# KiCad board cm0.kicad_pcb
title: Icepi SBC; date: 2025-12-21; rev: v1.0; company: Icy Electronics; note: Chengyin Yao (cheyao); note: https://github.com/cheyao/icepi-sbc; note: License: Solderpad; note: Stackup: JLC04161H-3313
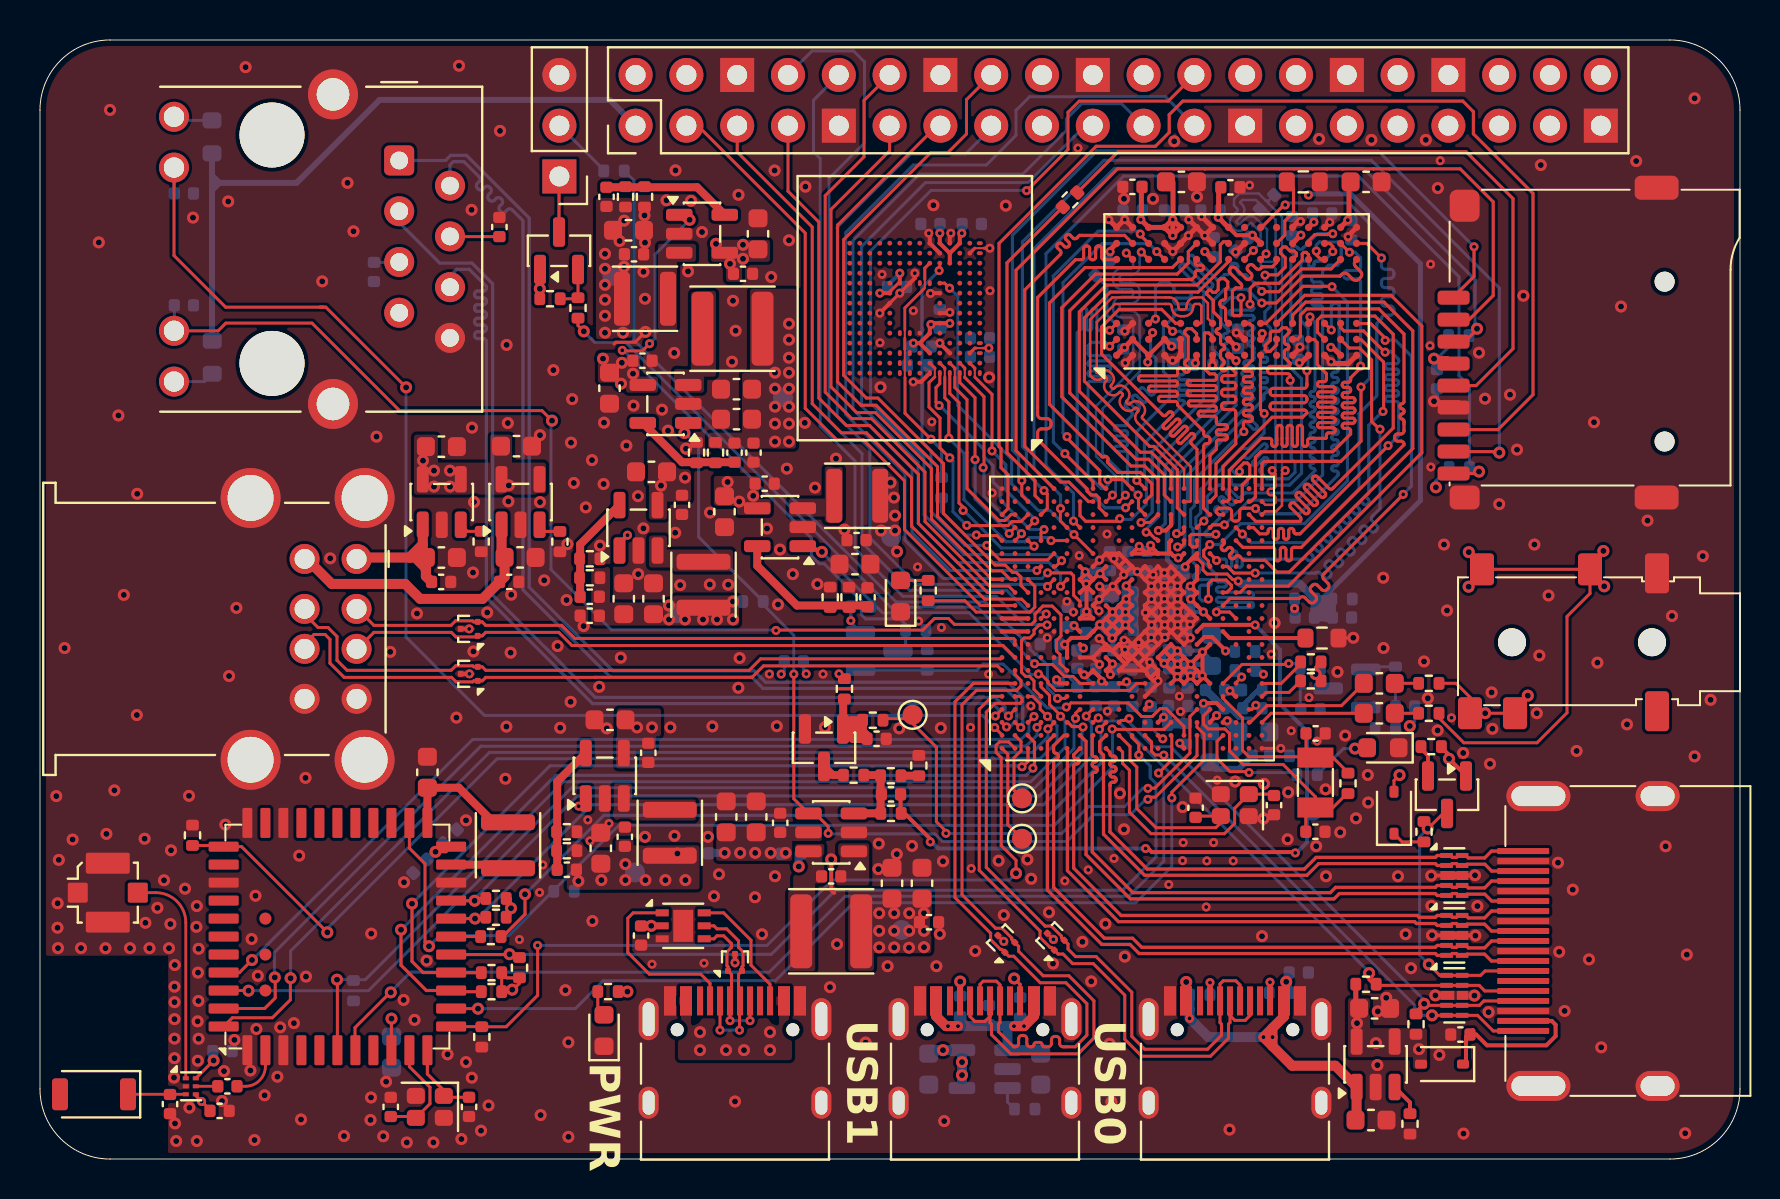
[diagram p0: board, top side]
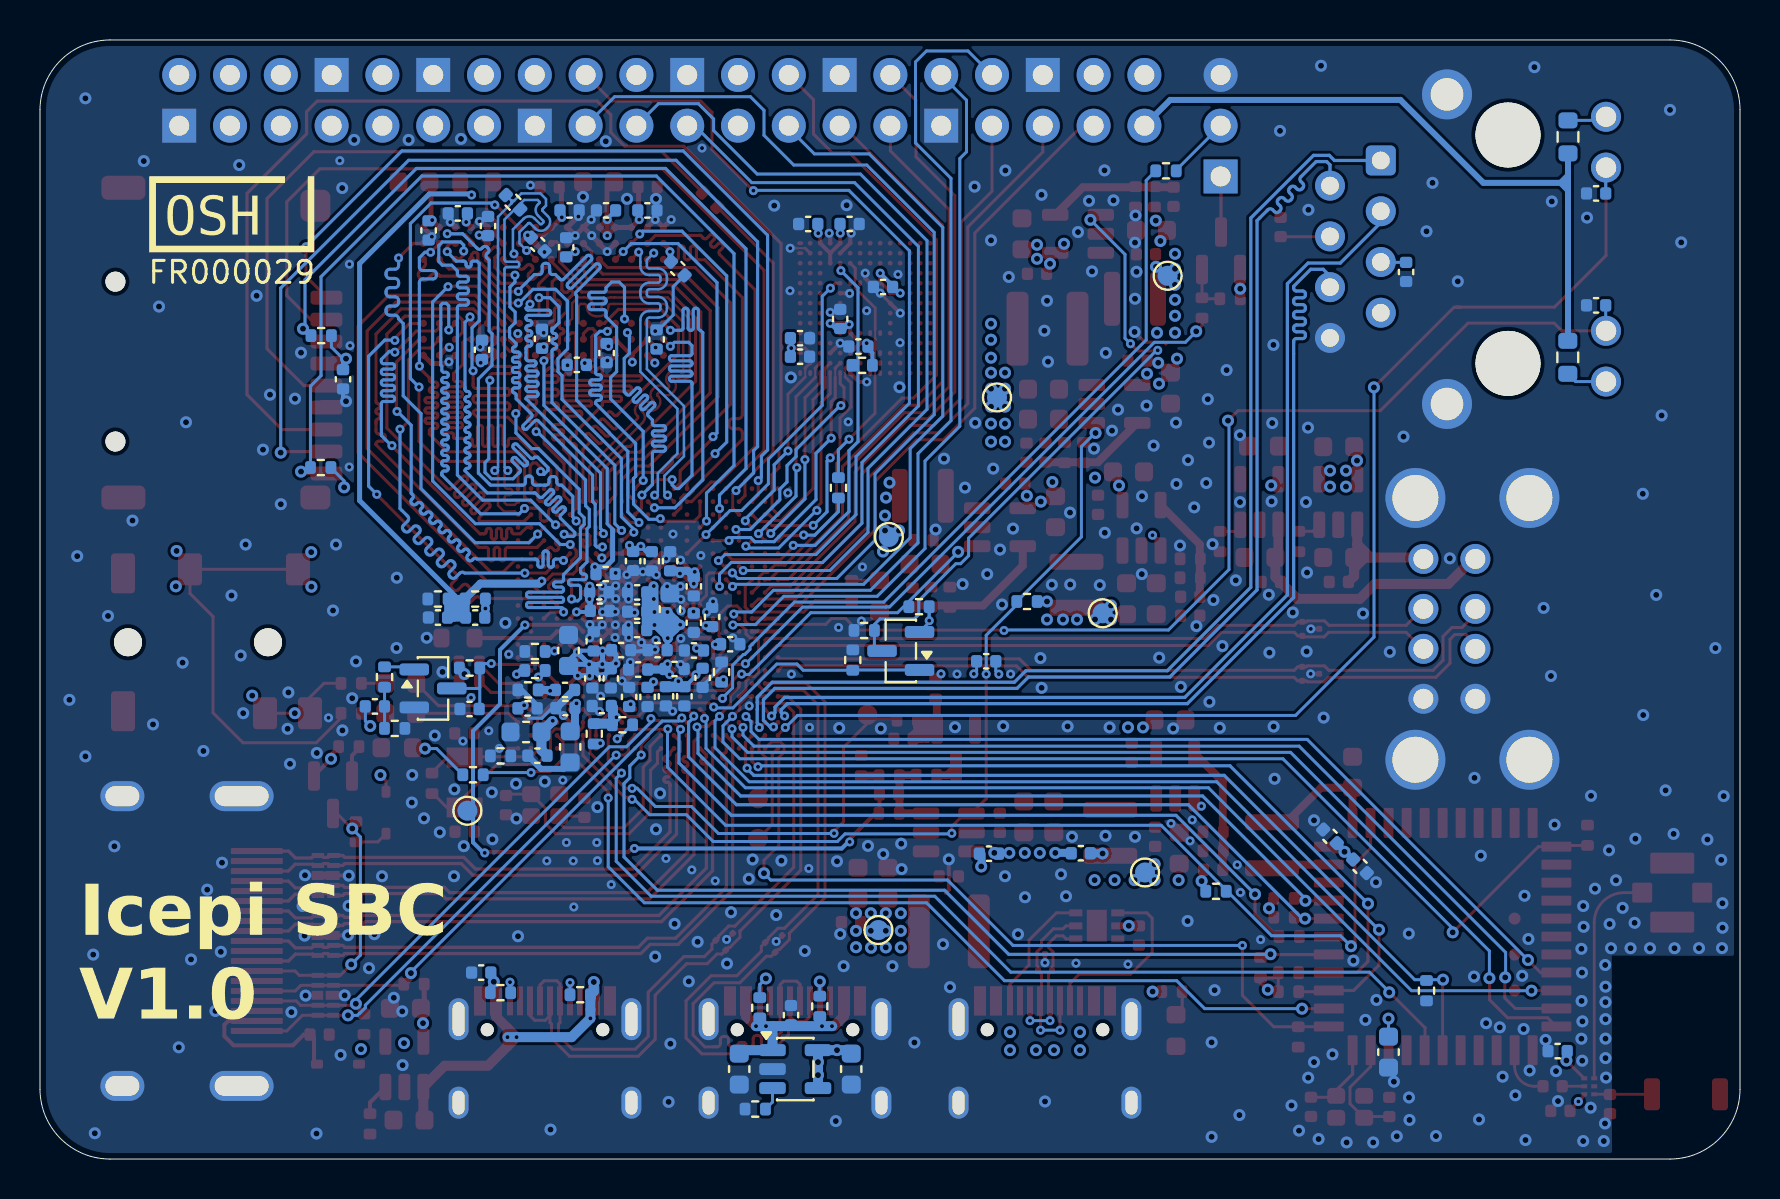
[diagram p1: board, bottom side, seen from below]

Outline 85 x 56 mm; copper layers: Top, In1.Cu, In2.Cu, Bottom. Coordinates in mm from the lower left corner of the outline.
Outline path: 0,52.5 arc(1.03,54.97) 3.5,56 81.5,56 arc(83.97,54.97) 85,52.5 85,3.5 arc(83.97,1.03) 81.5,0 3.5,0 arc(1.03,1.03) 0,3.5 0,52.5
Stack: Top 0.035mm / dielectric 0.0994mm FR4 er 4.1 / In1.Cu 0.0152mm / dielectric 1.265mm FR4 er 4.6 / In2.Cu 0.0152mm / dielectric 0.0994mm FR4 er 4.1 / Bottom 0.035mm

## Placement (name value [footprint] x y rotation side)
AE1  2450AT18A100E  [Johanson_2450AT18x100]  2.7 3.24 180 top
C1  100nF  [C_0402_1005Metric]  53.7 23.15 90 bottom
C2  100nF  [C_0402_1005Metric]  51.87 24.08 90 bottom
C3  100nF  [C_0402_1005Metric]  52.78 23.15 90 bottom
C4  100nF  [C_0402_1005Metric]  50.49 25.76 0 bottom
C5  100nF  [C_0402_1005Metric]  52.3 25.45 180 bottom
C6  100nF  [C_0402_1005Metric]  52.31 26.83 90 bottom
C7  100nF  [C_0402_1005Metric]  56.72 29.27 180 bottom
C8  4.7uF  [C_0402_1005Metric]  55.54 23.12 90 bottom
C9  100nF  [C_0402_1005Metric]  56.91 22.67 180 bottom
C10  1uF  [C_0402_1005Metric]  52.31 28.65 90 bottom
C11  100nF  [C_0402_1005Metric]  53.49 29.91 270 bottom
C12  10uF  [C_0603_1608Metric]  58.58 25.45 90 bottom
C13  1uF  [C_0402_1005Metric]  56.46 24.05 90 bottom
C14  1uF  [C_0402_1005Metric]  57.38 24.05 90 bottom
C15  100nF  [C_0402_1005Metric]  57.31 25.9 270 bottom
C16  100nF  [C_0402_1005Metric]  55.94 25.46 0 bottom
C17  10uF  [C_0603_1608Metric]  53.5 27.52 90 bottom
C18  1uF  [C_0402_1005Metric]  54.12 25.46 180 bottom
C19  1uF  [C_0402_1005Metric]  55.14 27.39 180 bottom
C20  100nF  [C_0402_1005Metric]  55.14 26.47 180 bottom
C21  100nF  [C_0402_1005Metric]  55.14 28.35 180 bottom
C22  1uF  [C_0402_1005Metric]  55.09 24.49 180 bottom
C23  100nF  [C_0402_1005Metric]  53.27 24.52 0 bottom
C24  100nF  [C_0402_1005Metric]  54.62 23.12 90 bottom
C25  10uF  [C_0603_1608Metric]  60.7 21.37 0 bottom
C26  100nF  [C_0402_1005Metric]  60.13 20.18 180 bottom
C27  10uF  [C_0603_1608Metric]  58.49 20.62 270 bottom
C28  100nF  [C_0402_1005Metric]  58.73 22.56 180 bottom
C29  4.7uF  [C_0402_1005Metric]  58.75 23.47 180 bottom
C30  1uF  [C_0402_1005Metric]  60.62 22.55 0 bottom
C31  4.7uF  [C_0402_1005Metric]  68.25 22.65 180 bottom
C32  100nF  [C_0402_1005Metric]  63.52 22.52 180 bottom
C33  15pF  [C_0402_1005Metric]  63.78 21.3 0 top
C34  18pF  [C_0402_1005Metric]  57.78 17.58 90 top
C35  4.7uF  [C_0402_1005Metric]  51.39 27.12 90 bottom
C36  1uF  [C_0402_1005Metric]  54.41 29.91 90 bottom
C37  1uF  [C_0402_1005Metric]  57 27.43 0 bottom
C38  100nF  [C_0402_1005Metric]  57.03 28.36 0 bottom
C39  100nF  [C_0402_1005Metric]  55.34 29.92 90 bottom
C40  15pF  [C_0402_1005Metric]  63.77 16.38 0 top
C41  18pF  [C_0402_1005Metric]  61.7 17.71 270 top
C42  100nF  [C_0402_1005Metric]  62.6 46.69 90 bottom
C43  100nF  [C_0402_1005Metric]  63.24 27.1 0 bottom
C44  100nF  [C_0402_1005Metric]  65.1 27.1 0 bottom
C45  10uF  [C_0603_1608Metric]  57.07 48.9 0 top
C46  1uF  [C_0402_1005Metric]  54.62 48.65 0 top
C47  100nF  [C_0402_1005Metric]  65.57 46.47 270 bottom
C48  100nF  [C_0402_1005Metric]  60.11 45.77 225 bottom
C49  100nF  [C_0402_1005Metric]  56.67 40.33 270 bottom
C50  100nF  [C_0402_1005Metric]  54.63 47.47 180 bottom
C51  10uF  [C_0603_1608Metric]  66.31 48.9 0 top
C52  1uF  [C_0402_1005Metric]  59.52 48.63 180 top
C53  100nF  [C_0402_1005Metric]  58.16 39.74 0 bottom
C54  100nF  [C_0402_1005Metric]  54.17 41.01 90 bottom
C55  100nF  [C_0402_1005Metric]  58.52 47.47 180 bottom
C56  100nF  [C_0402_1005Metric]  56.7 47.47 0 bottom
C57  100nF  [C_0402_1005Metric]  62.9 40.49 90 bottom
C58  100nF  [C_0402_1005Metric]  59.9 41.05 90 bottom
C59  100nF  [C_0402_1005Metric]  53.11 44.56 225 bottom
C60  100nF  [C_0402_1005Metric]  58.69 45.62 90 bottom
C61  100nF  [C_0402_1005Metric]  64.11 47.32 0 bottom
C62  100nF  [C_0402_1005Metric]  32.96 15.3 180 bottom
C63  22uF  [C_0603_1608Metric]  28.5 21.98 180 top
C64  100nF  [C_0402_1005Metric]  30.41 20.33 90 top
C65  15pF  [C_0402_1005Metric]  26.34 14.48 180 top
C66  100nF  [C_0402_1005Metric]  29.24 16.13 270 top
C67  10uF  [C_0603_1608Metric]  28.04 15.55 90 top
C68  100nF  [C_0402_1005Metric]  37.55 15.28 0 bottom
C69  100nF  [C_0402_1005Metric]  37.69 24.91 0 bottom
C70  10uF  [C_0603_1608Metric]  34.22 32.39 270 top
C71  100nF  [C_0402_1005Metric]  36.24 33.79 180 top
C72  15pF  [C_0402_1005Metric]  41.38 28.11 270 top
C73  100nF  [C_0402_1005Metric]  40.83 30.97 0 top
C74  10uF  [C_0603_1608Metric]  40.75 29.77 180 top
C75  10uF  [C_0603_1608Metric]  30.58 34.39 180 top
C76  100nF  [C_0402_1005Metric]  32.1 32.74 90 top
C77  15pF  [C_0402_1005Metric]  27.49 28.14 180 top
C78  100nF  [C_0402_1005Metric]  27.49 27.19 0 top
C79  10uF  [C_0603_1608Metric]  30.68 28.04 90 top
C80  22uF  [C_0603_1608Metric]  29.19 28.04 90 top
C81  22uF  [C_0603_1608Metric]  28.47 38.57 270 top
C82  100nF  [C_0402_1005Metric]  30.12 39.95 180 top
C83  15pF  [C_0402_1005Metric]  34.72 35.35 270 top
C84  100nF  [C_0402_1005Metric]  35.68 35.35 90 top
C85  10uF  [C_0603_1608Metric]  34.83 38.52 180 top
C86  22uF  [C_0603_1608Metric]  34.83 37.02 180 top
C87  100nF  [C_0402_1005Metric]  39.56 14.14 0 top
C88  22uF  [C_0603_1608Metric]  34.31 17.12 90 top
C89  10uF  [C_0603_1608Metric]  35.81 17.12 90 top
C90  100nF  [C_0402_1005Metric]  37.01 16.82 270 top
C91  100nF  [C_0402_1005Metric]  44.45 11.85 180 top
C92  10uF  [C_0603_1608Metric]  42.6 13.8 90 top
C93  22uF  [C_0603_1608Metric]  44.1 13.8 90 top
C94  15pF  [C_0402_1005Metric]  42.55 18.25 180 top
C95  10uF  [C_0603_1608Metric]  35.9 46.3 90 top
C96  100nF  [C_0402_1005Metric]  35.15 44.3 180 top
C97  15pF  [C_0402_1005Metric]  28.33 48.15 90 top
C98  100nF  [C_0402_1005Metric]  29.7 45.27 180 top
C99  22uF  [C_0603_1608Metric]  29.43 46.47 0 top
C100  NC  [C_0402_1005Metric]  41.83 21.03 0 top  (not fitted)
C101  100nF  [C_0402_1005Metric]  62.94 9.33 180 bottom
C102  10uF  [C_0603_1608Metric]  66.55 1.95 0 top
C103  10uF  [C_0603_1608Metric]  66.73 7.54 0 top
C104  100nF  [C_0402_1005Metric]  20.06 28.88 180 top
C105  10uF  [C_0603_1608Metric]  20.07 30.1 0 top
C106  10uF  [C_0603_1608Metric]  23.83 35.67 0 top
C107  100nF  [C_0402_1005Metric]  23.46 28.88 180 top
C108  10uF  [C_0603_1608Metric]  24 30.11 0 top
C109  10uF  [C_0603_1608Metric]  20.07 35.65 0 top
C110  100nF  [C_0402_1005Metric]  47.45 7.2 270 bottom
C111  10uF  [C_0603_1608Metric]  50.04 4.5 270 bottom
C112  10uF  [C_0603_1608Metric]  44.44 4.5 270 bottom
C113  1uF  [C_0402_1005Metric]  30.06 11.18 90 top
C114  100nF  [C_0402_1005Metric]  71.02 6.23 0 top
C115  1uF  [C_0402_1005Metric]  69.85 39.02 90 bottom
C116  4.7uF  [C_0402_1005Metric]  44.08 40.66 0 bottom
C117  1uF  [C_0402_1005Metric]  46.59 46.79 180 bottom
C118  100nF  [C_0402_1005Metric]  44.52 46.79 0 bottom
C119  4.7uF  [C_0402_1005Metric]  42.85 43.64 0 bottom
C120  100nF  [C_0402_1005Metric]  44.99 42.04 270 bottom
C121  100nF  [C_0402_1005Metric]  47 41.07 180 bottom
C122  1uF  [C_0402_1005Metric]  47 40.15 0 bottom
C123  10uF  [C_0603_1608Metric]  17.58 5.35 270 bottom
C124  100nF  [C_0402_1005Metric]  20.5 16.15 45 bottom
C125  100nF  [C_0402_1005Metric]  19 14.65 225 bottom
C126  1nF  [C_0402_1005Metric]  8.98 2.41 0 top
C127  15pF  [C_0402_1005Metric]  9.37 3.64 180 top
C128  DNP  [C_0402_1005Metric]  6.5 2.75 270 top  (not fitted)
C129  1nF  [C_0402_1005Metric]  9.12 5.4 0 bottom
C130  10uF  [C_0603_1608Metric]  19.37 19.35 90 top
C131  15pF  [C_0402_1005Metric]  21.45 2.61 270 top
C132  15pF  [C_0402_1005Metric]  17.54 2.61 90 top
C133  100nF  [C_0402_1005Metric]  22.97 46.64 270 top
C134  100nF  [C_0402_1005Metric]  16.7 44.39 90 bottom
C135  100nF  [C_0402_1005Metric]  7.2 42.72 0 bottom
C136  100nF  [C_0402_1005Metric]  7.2 48.32 0 bottom
C137  10uF  [C_0603_1608Metric]  66.97 22.3 180 top
C138  10uF  [C_0603_1608Metric]  66.97 23.8 180 top
D1  1N5819WS  [D_SOD-323]  67.7 17.33 90 top
D2  1N5819WS  [D_SOD-323]  70.1 4.75 180 top
D3  LED  [LED_0603_1608Metric]  67.15 20.58 180 top
D4  LED  [LED_0603_1608Metric]  43.03 28.17 90 top
D5  LED  [LED_0603_1608Metric]  28.2 6.43 90 top
J1  USB_A_Stacked  [USB_A_SHOUHAN_AF_SS-JB17.6_Horizontal_Stacked]  13.38 26.53 270 top
J2  USB_C_Receptacle_USB2.0_14P  [USB_C_Receptacle_HRO_TYPE-C-31-M-12]  59.75 3.87 0 top
J3  USB_C_Receptacle_USB2.0_14P  [USB_C_Receptacle_HRO_TYPE-C-31-M-12]  47.25 3.87 0 top
J4  USB_C_Receptacle_USB2.0_14P  [USB_C_Receptacle_HRO_TYPE-C-31-M-12]  34.75 3.87 0 top
J5  GPDI_A  [GPDI_A_XUNPU_001S]  77.52 10.91 90 top
J6  Micro_SD_Card_Det1  [microSD_TF-01A]  75.98 41.16 90 top
J7  ANT  [U.FL_Molex_MCRF_73412-0110_Vertical]  3.39 13.33 90 top
J8  RJ45_Hanrun_HR913550A_Horizontal  [RJ45_Hanrun_HR911105A_Horizontal]  17.96 49.97 270 top
J9  GPIO  [PinHeader_2x20_P2.54mm_Vertical]  29.78 51.71 90 top  (not fitted)
J10  UART  [PinHeader_1x03_P2.54mm_Vertical]  25.97 49.17 180 top  (not fitted)
J11  AudioJack_PJ-342  [Jack_3.5mm_SHOUHAN_PJ-342]  73.6 25.86 180 top
L1  2.2uH  [L_Sunlord_SWPA3015S]  31.49 16.33 270 top
L2  2.2uH  [L_Sunlord_SWPA3015S]  40.86 33.19 0 top
L3  2.2uH  [L_Sunlord_SWPA3015S]  33.18 28.74 270 top
L4  2.2uH  [L_Sunlord_SWPA4030S]  34.62 41.55 0 top
L5  2.2uH  [L_Sunlord_SWPA4030S]  39.56 11.39 0 top
L6  2.2uH  [L_Sunlord_SWPA3015S]  30.25 43.05 180 top
L7  2.2uH  [L_Sunlord_SWPA3015S]  23.4 15.7 90 top
LOGO1  ~  [OSHW-Certification-Mark-Stacked_8x7mm_SilkMask]  75.41 46.73 180 bottom
Q1  MMBT3904  [SOT-23]  65.35 23.55 180 bottom
Q2  BSN20  [SOT-23]  39.2 20.58 270 top
Q3  AO3415A  [SOT-23]  41.96 25.42 0 bottom
Q4  BSN20  [SOT-23]  70.35 18.23 270 top
Q5  BSN20  [SOT-23]  25.95 45.45 90 top
R1  6.04k  [R_0402_1005Metric]  50.92 24.37 90 bottom
R2  56k  [R_0402_1005Metric]  60.25 24.45 180 bottom
R3  56k  [R_0402_1005Metric]  55.88 21.73 180 bottom
R4  56k  [R_0402_1005Metric]  63.54 24.87 180 top
R5  100k  [R_0402_1005Metric]  63.54 23.93 180 top
R6  240  [R_0603_1608Metric]  64.1 26.07 180 top
R7  0  [R_0402_1005Metric]  60.25 25.4 0 bottom
R8  10k  [R_0402_1005Metric]  63.52 24.57 180 bottom
R9  220k  [R_0402_1005Metric]  60.6 23.47 0 bottom
R10  0  [R_0402_1005Metric]  61.97 20.17 0 bottom
R11  10k  [R_0402_1005Metric]  67.77 24.12 90 bottom
R12  10k  [R_0402_1005Metric]  67.27 21.55 180 bottom
R13  56k  [R_0402_1005Metric]  57.29 21.28 270 bottom
R14  10M  [R_0402_1005Metric]  65.4 18.8 270 top
R15  2k  [R_0402_1005Metric]  63.24 28.03 180 bottom
R16  2k  [R_0402_1005Metric]  65.1 28.02 180 bottom
R17  240  [R_0603_1608Metric]  63.16 48.9 0 top
R18  10k  [R_0402_1005Metric]  41.05 27.64 0 bottom
R19  10k  [R_0402_1005Metric]  35.65 27.9 0 bottom
R20  100k  [R_0402_1005Metric]  26.34 15.43 0 top
R21  22k  [R_0402_1005Metric]  26.34 16.38 180 top
R22  150k  [R_0402_1005Metric]  40.45 28.11 90 top
R23  100k  [R_0402_1005Metric]  27.49 29.09 0 top
R24  100k  [R_0402_1005Metric]  39.51 28.11 270 top
R25  22k  [R_0402_1005Metric]  27.49 30.04 180 top
R26  100k  [R_0402_1005Metric]  33.78 35.35 90 top
R27  100k  [R_0402_1005Metric]  32.83 35.35 270 top
R28  10k  [R_0402_1005Metric]  42.55 17.3 180 top
R29  10k  [R_0402_1005Metric]  42.54 19.18 0 top
R30  30k  [R_0402_1005Metric]  40.68 19.21 180 top
R31  10k  [R_0402_1005Metric]  40.22 23.53 270 top
R32  2k  [R_0402_1005Metric]  43.94 19.69 270 top
R33  0  [R_0402_1005Metric]  41.64 21.96 0 top
R34  100k  [R_0402_1005Metric]  29.28 48.15 270 top
R35  22k  [R_0402_1005Metric]  30.22 48.15 90 top
R36  100k  [R_0402_1005Metric]  44.36 24.97 270 bottom
R37  30k  [R_0402_1005Metric]  43.79 26.45 0 bottom
R38  56k  [R_0402_1005Metric]  57.99 8.22 0 bottom
R39  56k  [R_0402_1005Metric]  61.97 8.32 180 bottom
R40  10k  [R_0402_1005Metric]  68.5 1.76 270 top
R41  10k  [R_0402_1005Metric]  22.06 30.9 270 top
R42  10k  [R_0402_1005Metric]  25.99 30.9 270 top
R43  56k  [R_0402_1005Metric]  46.01 7.64 90 bottom
R44  56k  [R_0402_1005Metric]  49.01 7.57 90 bottom
R45  10k  [R_0402_1005Metric]  49.24 2.5 0 bottom
R46  30k  [R_0402_1005Metric]  69.56 20.64 180 top
R47  30k  [R_0402_1005Metric]  69.2 16.38 90 top
R48  2k  [R_0402_1005Metric]  68.8 6.75 270 top
R49  2k  [R_0402_1005Metric]  66.3 8.75 180 top
R50  10k  [R_0402_1005Metric]  43.89 39.72 0 bottom
R51  56k  [R_0402_1005Metric]  70.94 41.2 0 bottom
R52  56k  [R_0402_1005Metric]  70.97 34.6 0 bottom
R53  33  [R_0402_1005Metric]  51.5 48 45 top
R54  33  [R_0402_1005Metric]  45.08 33.59 90 bottom
R55  30k  [R_0402_1005Metric]  22.58 9.32 180 top
R56  30k  [R_0402_1005Metric]  22.58 8.37 180 top
R57  30k  [R_0402_1005Metric]  22.8 13.04 180 top
R58  30k  [R_0402_1005Metric]  22.8 12.1 180 top
R59  30k  [R_0402_1005Metric]  23.97 9.57 90 top
R60  33  [R_0402_1005Metric]  22.54 11.13 180 top
R61  10k  [R_0402_1005Metric]  26.2 13.4 180 bottom
R62  100k  [R_0402_1005Metric]  7.62 16.2 90 top
R63  100k  [R_0402_1005Metric]  15.68 8.42 270 bottom
R64  100k  [R_0402_1005Metric]  22.09 6.11 270 top
R65  240  [R_0603_1608Metric]  8.61 40.12 270 bottom
R66  240  [R_0603_1608Metric]  8.6 51.15 90 bottom
R67  2k  [R_0402_1005Metric]  63.35 19.23 180 bottom
R68  2k  [R_0402_1005Metric]  44.41 28.45 270 top
R69  2k  [R_0402_1005Metric]  28.4 8.38 0 top
R70  10k  [R_0402_1005Metric]  25.5 43.05 0 top
R71  33  [R_0402_1005Metric]  26.9 42.59 90 top
R72  33  [R_0402_1005Metric]  28.7 49.45 180 bottom
R73  33  [R_0402_1005Metric]  69.44 22.3 180 top
R74  33  [R_0402_1005Metric]  69.44 23.8 180 top
R75  100  [R_0402_1005Metric]  61.35 47.88 225 bottom
TP1  TestPoint  [TestPoint_Pad_D1.0mm]  49.1 16.02 0 top  (not fitted)
TP2  TestPoint  [TestPoint_Pad_D1.0mm]  49.1 18.05 0 top  (not fitted)
TP3  TestPoint  [TestPoint_Pad_D1.0mm]  63.63 17.43 0 bottom  (not fitted)
TP4  3V3  [TestPoint_Pad_D1.0mm]  29.75 14.34 0 bottom  (not fitted)
TP5  1V5  [TestPoint_Pad_D1.0mm]  42.56 31.13 0 bottom  (not fitted)
TP6  3V3  [TestPoint_Pad_D1.0mm]  31.87 27.31 0 bottom  (not fitted)
TP7  1V2  [TestPoint_Pad_D1.0mm]  37.15 38.11 0 bottom  (not fitted)
TP8  1V1  [TestPoint_Pad_D1.0mm]  43.08 11.46 0 bottom  (not fitted)
TP9  3V3  [TestPoint_Pad_D1.0mm]  28.62 44.2 0 bottom  (not fitted)
TP10  PWR  [TestPoint_Pad_D1.0mm]  43.63 22.23 0 top  (not fitted)
U1  H3  [FBGA-347_14x14mm_Layout21x21_P0.65mm]  54.6 27.05 90 top
U2  H5TQ4G63EFR  [FBGA-96_7.5x13mm_Layout9x16_P0.8mm]  59.83 43.42 90 top
U3  SY8088  [SOT-23-5]  28.24 19.18 90 top
U4  SY8088  [SOT-23-5]  37 31.62 180 top
U5  SY8088  [SOT-23-5]  29.93 31.59 90 top
U6  SY8089A  [SOT-23-5]  31.28 37.79 180 top
U7  SY8113  [TSOT-23-6]  39.56 16.34 180 top
U8  SY8088  [SOT-23-5]  33.1 46.3 0 top
U9  SY6280AAC  [SOT-23-5]  66.78 4.74 90 top
U10  SY6280AAC  [SOT-23-5]  20.09 32.88 90 top
U11  SY6280AAC  [SOT-23-5]  24.03 32.88 90 top
U12  SY6280AAC  [SOT-23-5]  47.24 4.5 180 bottom
U13  TPD2EUSB30  [Texas_DRT-3]  50.66 11 45 top
U14  TPD2EUSB30  [Texas_DRT-3]  21.47 24.28 90 top
U15  TPD2EUSB30  [Texas_DRT-3]  48.19 10.89 45 top
U16  TPD2EUSB30  [Texas_DRT-3]  21.46 26.53 90 top
U17  HUSB237  [DFN-6-1EP_2x2mm_P0.65mm_EP1x1.6mm]  32.16 11.67 0 top
U18  TPD2EUSB30  [Texas_DRT-3]  34.75 9.84 0 top
U19  UCL0524P  [Diodes_UDFN-10_1.0x2.5mm_P0.5mm]  70.72 14.19 0 top
U20  UCL0524P  [Diodes_UDFN-10_1.0x2.5mm_P0.5mm]  70.72 11.19 0 top
U21  UCL0524P  [Diodes_UDFN-10_1.0x2.5mm_P0.5mm]  70.72 8.19 0 top
U22  EMMC5.1_BGA153  [LFBGA-153_11.5x13mm_Layout14x14_P0.5mm]  43.74 42.58 180 top
U23  AW13412HDNR  [DFN-6_1.1x0.7mm_P0.4mm]  7.66 3.64 0 top
U24  -  [AP6212]  14.87 11.13 90 top
Y1  32kHz  [Crystal_SMD_3215-2Pin_3.2x1.5mm]  63.77 18.84 270 top
Y2  24MHz  [Crystal_SMD_2016-4Pin_2.0x1.6mm]  59.74 17.71 180 top
Y3  26MHz  [Crystal_SMD_2016-4Pin_2.0x1.6mm]  19.49 2.61 180 top

## Library data of the parts
AE1 = -: Description: Antenna; LCSC Part #: C89334
C1-C7 C9 C11 C15 C16 C20 C21 C23 C24 C26 C28 C32 C38 C39 C42-C44 C47-C50 C53-C62 C64 C66 C68 C69 C71 C73 C76 C78 C82 C84 C87 C90 C91 C96 C98 C101 C104 C107 C110 C114 C118 C120 C121 C124 C125 C135 C136 = -: Description: Unpolarized capacitor; LCSC Part #: C1525; ki_fp_filters: C_*
C8 C29 C31 C35 C116 C119 = -: Description: Unpolarized capacitor; LCSC Part #: C23733; ki_fp_filters: C_*
C10 C13 C14 C18 C19 C22 C30 C36 C37 C46 C52 C113 C115 C117 C122 = -: Description: Unpolarized capacitor; LCSC Part #: C52923; ki_fp_filters: C_*
C12 C17 C25 C27 C45 C51 C67 C70 C74 C75 C79 C85 C89 C92 C95 C102 C103 C105 C106 C108 C109 C111 C112 C123 C130 = -: Description: Unpolarized capacitor; LCSC Part #: C19702; ki_fp_filters: C_*
C33 C40 C65 C72 C77 C83 C94 C97 C127 C131 C132 = -: Description: Unpolarized capacitor; LCSC Part #: C1548; ki_fp_filters: C_*
C34 C41 = -: Description: Unpolarized capacitor; LCSC Part #: C106202; ki_fp_filters: C_*
C63 C80 C81 C86 C88 C93 C99 = -: Description: Unpolarized capacitor; LCSC Part #: C59461; ki_fp_filters: C_*
C100 C128 = -: Description: Unpolarized capacitor; ki_fp_filters: C_*
C126 C129 = -: Description: Unpolarized capacitor; LCSC Part #: C1523; ki_fp_filters: C_*
C133 C134 = -: Description: Unpolarized capacitor, small symbol; LCSC Part #: C1525; ki_fp_filters: C_*
C137 C138 = -: Description: Unpolarized capacitor, small symbol; LCSC Part #: C19702; ki_fp_filters: C_*
D1 D2 = -: Datasheet: https://datasheet.lcsc.com/lcsc/2204281430_Guangdong-Hottech-1N5819WS_C191023.pdf; Description: 40V 600mV@1A 1A SOD-323 Schottky Barrier Diodes, SOD-323; LCSC Part #: C191023; ki_fp_filters: D*SOD?323*
D3-D5 = -: Description: Light emitting diode; Sim.Pins: 1=K 2=A; LCSC Part #: C2290; ki_fp_filters: LED* LED_SMD:* LED_THT:*
J1 = -: Description: USB Type A connector, stacked; LCSC Part #: C456021; ki_fp_filters: USB*
J2-J4 = -: Datasheet: https://www.usb.org/sites/default/files/documents/usb_type-c.zip; Description: USB 2.0-only 14P Type-C Receptacle connector; LCSC Part #: C165948; FT Position Offset: 0,2.81; ki_fp_filters: USB*C*Receptacle*
J5 = -: Description: GPDI type A connector; LCSC Part #: C720616; ki_fp_filters: HDMI*A*
J6 = -: Datasheet: https://datasheet.lcsc.com/lcsc/2110151630_XKB-Connectivity-XKTF-015-N_C381082.pdf; Description: Micro SD Card Socket with one card detection pin; LCSC Part #: C2889258; FT Position Offset: 0,0.081; ki_fp_filters: microSD*
J7 = -: Description: small coaxial connector (BNC, SMA, SMB, SMC, Cinch/RCA, LEMO, ...); LCSC Part #: C411563; FT Rotation Offset: 180; ki_fp_filters: *BNC* *SMA* *SMB* *SMC* *Cinch* *LEMO* *UMRF* *MCX* *U.FL*
J8 = -: Datasheet: https://www.lcsc.com/datasheet/C163507.pdf; Description: 1 Port RJ45 Magjack Connector Through Hole 10/100 Base-T, AutoMDIX; LCSC Part #: C163507; FT Rotation Offset: 180; ki_fp_filters: RJ45*Hanrun*HR911105A*
J9 = -: Description: Generic connector, double row, 02x20, odd/even pin numbering scheme (row 1 odd numbers, row 2 even numbers), script generated (kicad-library-utils/schlib/autogen/connector/); ki_fp_filters: Connector*:*_2x??_*
J10 = -: Description: Generic connector, single row, 01x03, script generated (kicad-library-utils/schlib/autogen/connector/); ki_fp_filters: Connector*:*_1x??_*
J11 = -: Description: Audio Jack, 3 Poles (Stereo / TRS); LCSC Part #: C7507452; FT Position Offset: -2.57175,-0.03175; ki_fp_filters: Jack*
L1-L3 L6 L7 = -: Description: Inductor; LCSC Part #: C43389; ki_fp_filters: Choke_* *Coil* Inductor_* L_*
L4 L5 = -: Description: Inductor; LCSC Part #: C135262; ki_fp_filters: Choke_* *Coil* Inductor_* L_*
LOGO1 = -: Description: OSHW Certification Mark, Stacked
Q1 = -: Datasheet: https://www.onsemi.com/pdf/datasheet/pzt3904-d.pdf; Description: 0.2A Ic, 40V Vce, Small Signal NPN Transistor, SOT-23; LCSC Part #: C20526; ki_fp_filters: SOT?23*
Q2 Q4 Q5 = -: Datasheet: http://www.diodes.com/assets/Datasheets/ds31898.pdf; Description: 0.5A Id, 50V Vds, N-Channel MOSFET, SOT-23; LCSC Part #: C116157; ki_fp_filters: SOT?23*
Q3 = -: Datasheet: http://www.aosmd.com/pdfs/datasheet/AO3401A.pdf; Description: -4.0A Id, -30V Vds, P-Channel MOSFET, SOT-23; LCSC Part #: C347479; ki_fp_filters: SOT?23*
R1 = -: Description: Resistor; LCSC Part #: C25913; ki_fp_filters: R_*
R2-R4 R13 R38 R39 R43 R44 R51 R52 = -: Description: Resistor; LCSC Part #: C25796; ki_fp_filters: R_*
R5 R20 R23 R24 R26 R27 R34 R36 R62-R64 = -: Description: Resistor; LCSC Part #: C25741; ki_fp_filters: R_*
R6 R17 = -: Description: Resistor; LCSC Part #: C23350; ki_fp_filters: R_*
R7 R10 R33 = -: Description: Resistor; LCSC Part #: C17168; ki_fp_filters: R_*
R8 R11 R12 R18 R19 R28 R29 R31 R40-R42 R45 R50 R61 R70 = -: Description: Resistor; LCSC Part #: C25744; ki_fp_filters: R_*
R9 = -: Description: Resistor; LCSC Part #: C25767; ki_fp_filters: R_*
R14 = -: Description: Resistor; LCSC Part #: C26082; ki_fp_filters: R_*
R15 R16 R32 R48 R49 R67-R69 = -: Description: Resistor; LCSC Part #: C4109; ki_fp_filters: R_*
R21 R25 R35 = -: Description: Resistor; LCSC Part #: C25768; ki_fp_filters: R_*
R22 = -: Description: Resistor; LCSC Part #: C2909320; ki_fp_filters: R_*
R30 R37 R46 R47 R55-R59 = -: Description: Resistor; LCSC Part #: C25553; ki_fp_filters: R_*
R53 R54 R60 R71-R74 = -: Description: Resistor; LCSC Part #: C25105; ki_fp_filters: R_*
R65 R66 = -: Description: Resistor, small symbol; LCSC Part #: C23350; ki_fp_filters: R_*
R75 = -: Description: Resistor; ki_fp_filters: R_*
TP1-TP10 = -: Description: test point; ki_fp_filters: Pin* Test*
U1 = -: Datasheet: https://linux-sunxi.org/images/4/4b/Allwinner_H3_Datasheet_V1.2.pdf; Description: Allwinner Tech H3 Quad-Core Processor; LCSC Part #: C94644
U2 = -: Datasheet: https://www.lcsc.com/datasheet/C2803259.pdf; Description: 4Gb (256Mx16 bit) Double Data Rate 3 Synchronous DRAM; LCSC Part #: C2803259; ki_fp_filters: BGA*9.0x13.0mm*P0.8mm*